# Altium PCB EPS.PcbDoc (part 4 of 11)
Units mm, origin at the board's own origin, x right, y up, seen from the top; angles counter-clockwise.
Board outline 90.25 x 93.64 mm, 8 copper layers (Top Layer, PGND, Power, Control Signals 1, Control Signals 2, Signal 1, Signal 2, Bottom Layer), stack 1.637 mm thick; 941 components, 557 nets, 2694 pads, 869 vias.
Unrouted connection lines stored in the file: 2.
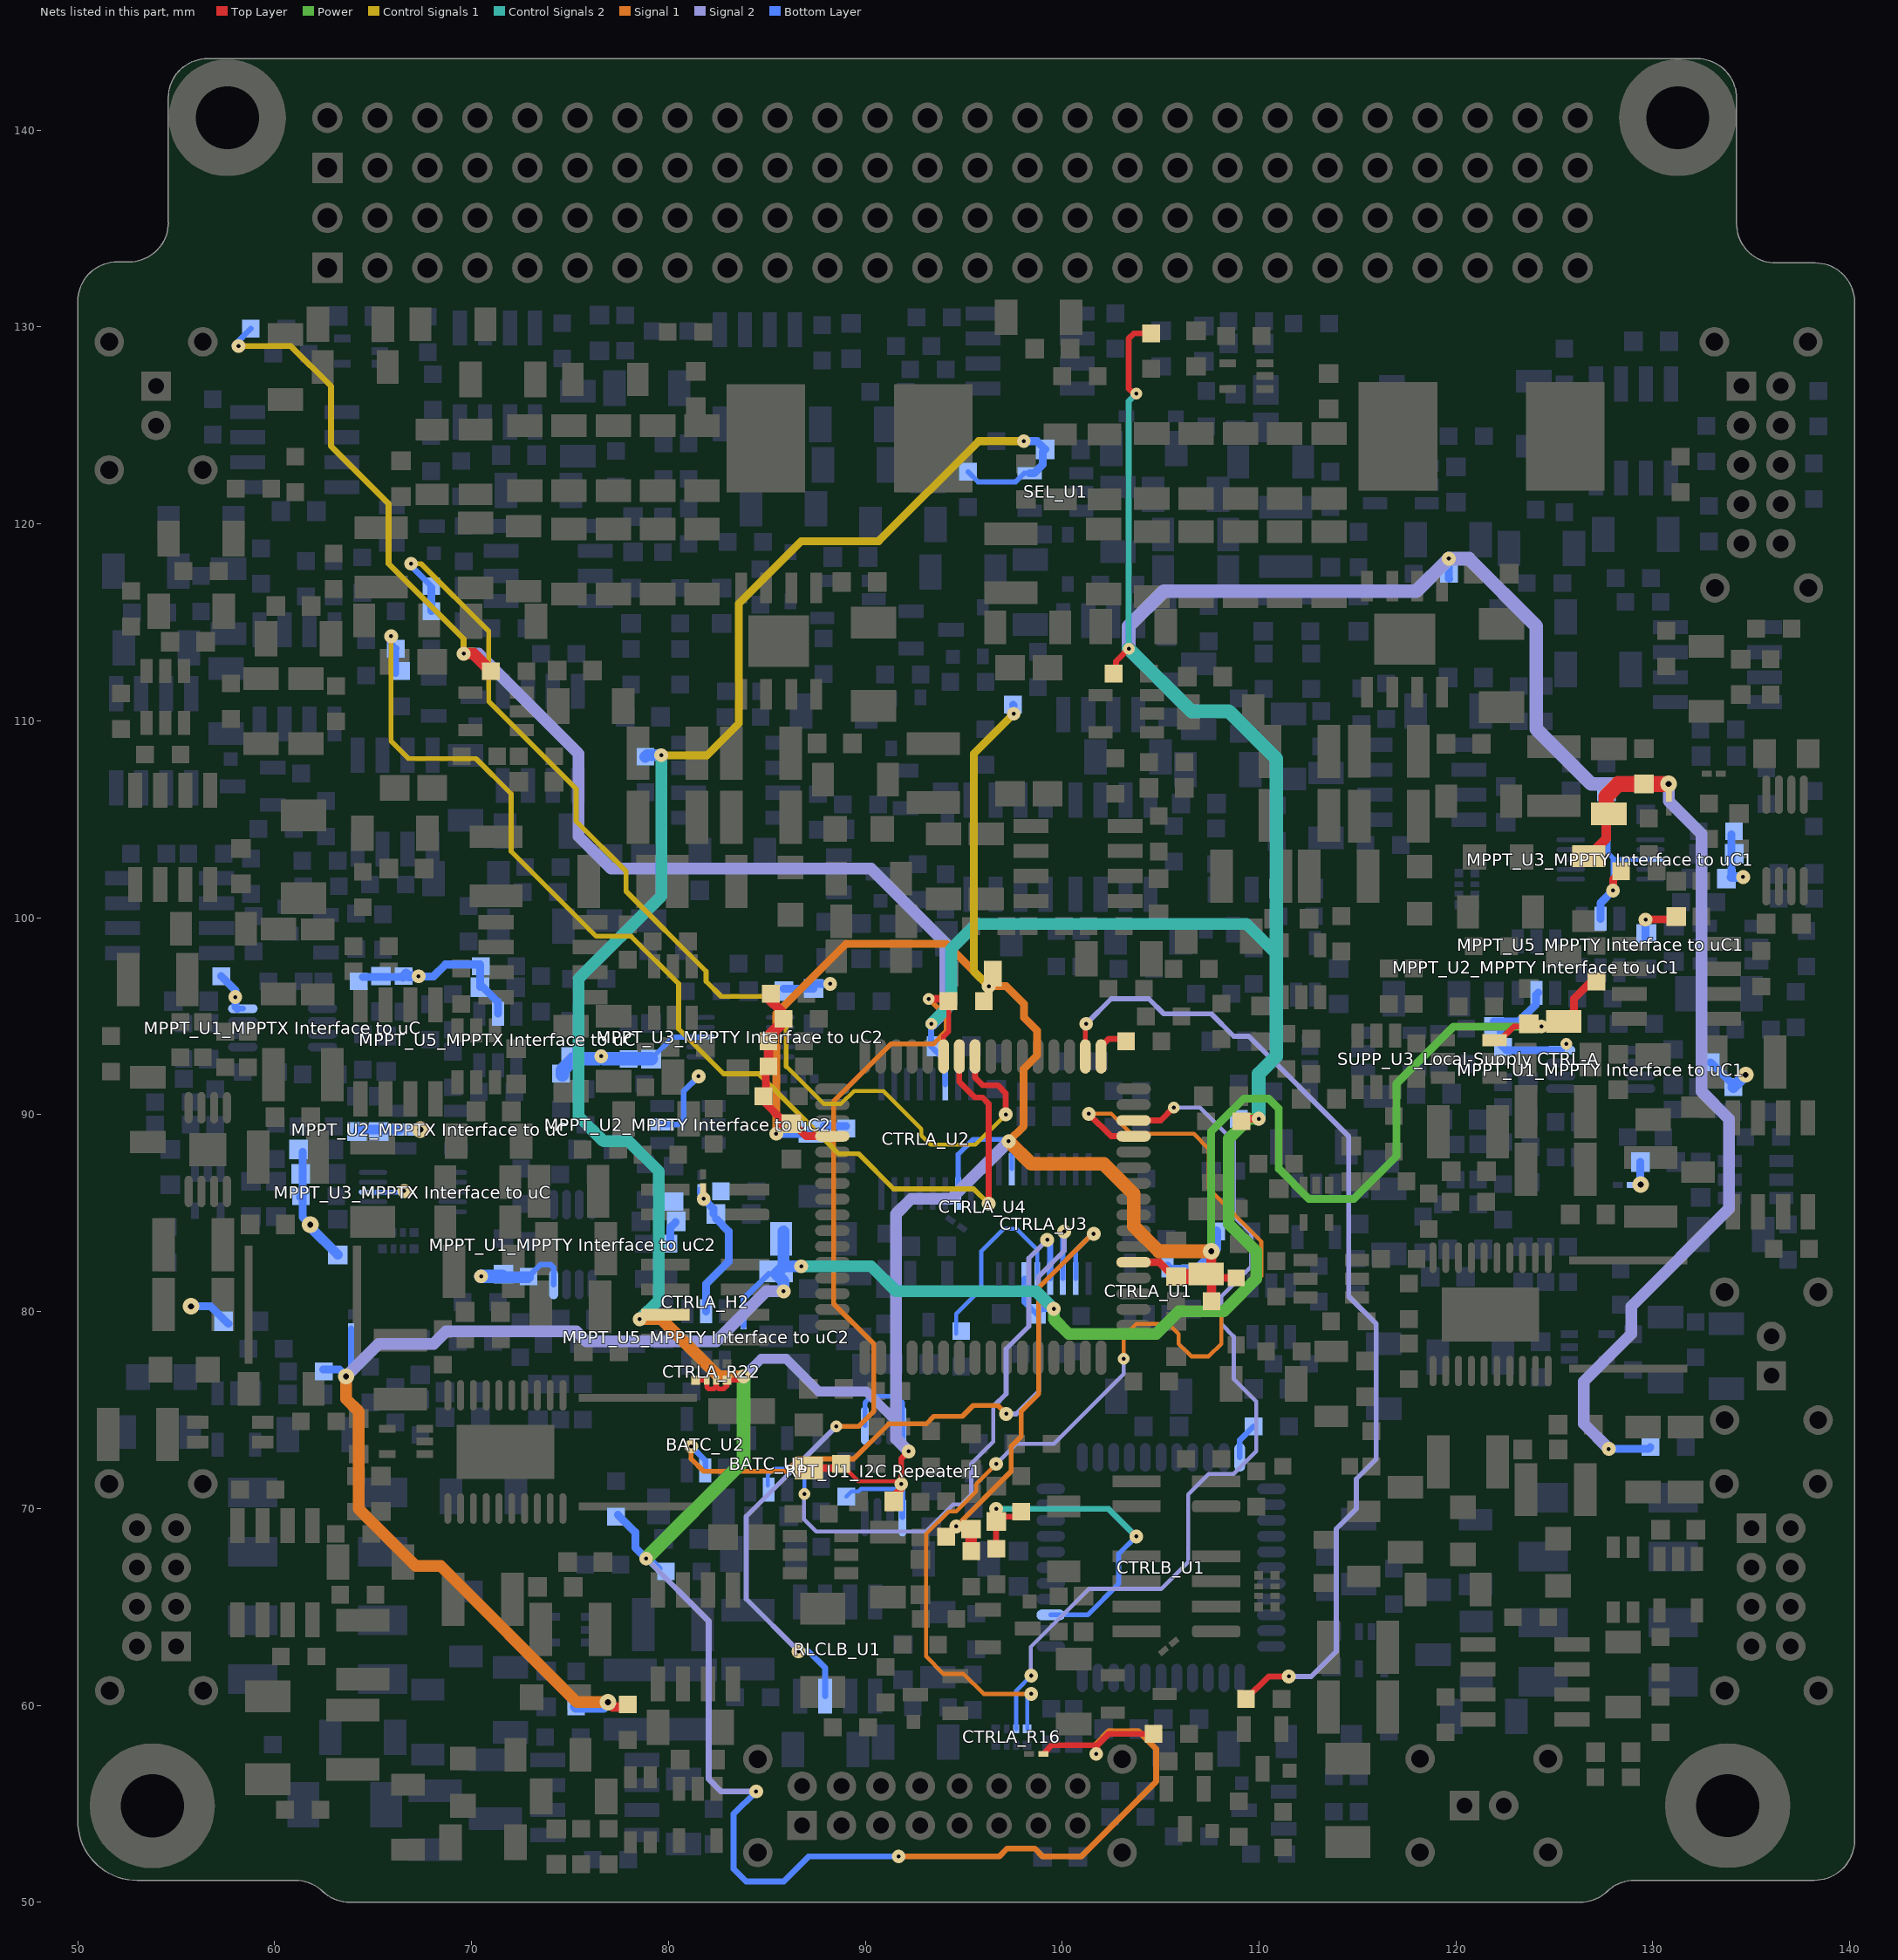
[diagram p10: the nets of this part, all layers, seen from the top]

## Part data (continued)
BATC_C2 BATC_C3 BATD_C4 DCDCX_C9 EMIXS_C1 EMIXS_C2 EMIXS_C3 "EMIYS_C1_MPPTY EMI Filters for Solar Panels1" "EMIYS_C1_MPPTY EMI Filters for Solar Panels2" "EMIYS_C2_MPPTY EMI Filters for Solar Panels1" "EMIYS_C2_MPPTY EMI Filters for Solar Panels2" "LCL_C4_LCL-FPF ANTs 5V1" "LCL_C4_LCL-FPF ANTs 5V2" "LCL_C4_LCL-FPF CAMnadir 3V3" "LCL_C4_LCL-FPF CAMwing 3V3" "LCL_C4_LCL-FPF SENS 5V" "LCL_C4_LCL-FPF SunS 3V3" "LCLTK_C2_LCL-TK MAIN" "LCLTK_C2_LCL-TK Redundant" "LCLTK_C5_LCL-TK MAIN" "LCLTK_C5_LCL-TK Redundant" "LCLTK_C6_LCL-TK MAIN" "LCLTK_C6_LCL-TK Redundant" "RLCL_C2_DCDC RLCL" "RLCL_C2_VBAT RLCL" RLCLB_C3 RLCLB_C5 RLCLB_C8 SUMPBX_C1 "SUMPBY_C1_MPPTY ORing to MPB1" "SUMPBY_C1_MPPTY ORing to MPB2" "SUMPBY_C5_MPPTY ORing to MPB1" "SUMPBY_C5_MPPTY ORing to MPB2" SUMX_C1 "SUMY_C1_MPPTY Solar Panels ORing1" "SUMY_C1_MPPTY Solar Panels ORing2": library part Cer_C1206T105K3RALTU, "Ceramic Cap Kemet COTS 1u/25V X7R 1206", Manufacturer=Kemet, ManufacturerPartNumber=C1206T105K3RALTU, Package=1206
BATC_R1 "HK_R1_3V3 Measurements" "HK_R1_5V Measurements" "HK_R1_VBAT Measurements": library part LR2512-R033FW, "33mR ,1%, 2W, shunt resistor, TE Connectivity.", Manufacturer="TE Connectivity", Package=2512_Shunt, Power Rating=2W, ManufacturerPartNumber=LR2512-R033FW
BATC_R2 BATC_R3 BATC_R4 BATC_R5 BATD_R1 BATD_R2 BATV_R1 BATV_R2 BATV_R3 BATV_R4 CTRL_R1_CTRL-A_Supply CTRL_R1_CTRL-B_Supply DCDCA_R1 DCDCA_R2 DCDCA_R3 DCDCA_R4 DCDCA_R5 DCDCB_R1 DCDCB_R2 DCDCB_R3 DCDCB_R4 DCDCB_R5 DCDCX_R1 DCDCX_R2 DCDCX_R3 DCDCX_R5 DCDCX_R6 DCDCX_R7 DCDCX_R8 DCDCX_R9 DCDCX_R10 DCDCX_R11 "DCDCY_R1_MPPTY Buck-Boost Converter1" "DCDCY_R1_MPPTY Buck-Boost Converter2" "DCDCY_R2_MPPTY Buck-Boost Converter1" "DCDCY_R2_MPPTY Buck-Boost Converter2" "DCDCY_R3_MPPTY Buck-Boost Converter1" "DCDCY_R3_MPPTY Buck-Boost Converter2" "DCDCY_R4_MPPTY Buck-Boost Converter1" "DCDCY_R4_MPPTY Buck-Boost Converter2" "DCDCY_R5_MPPTY Buck-Boost Converter1" "DCDCY_R5_MPPTY Buck-Boost Converter2" "DCDCY_R6_MPPTY Buck-Boost Converter1" "DCDCY_R6_MPPTY Buck-Boost Converter2" "DCDCY_R8_MPPTY Buck-Boost Converter1" "DCDCY_R8_MPPTY Buck-Boost Converter2" "DCDCY_R9_MPPTY Buck-Boost Converter1" "DCDCY_R9_MPPTY Buck-Boost Converter2" "DCDCY_R10_MPPTY Buck-Boost Converter1" "DCDCY_R10_MPPTY Buck-Boost Converter2" "DCDCY_R11_MPPTY Buck-Boost Converter1" "DCDCY_R11_MPPTY Buck-Boost Converter2" DISTR_R1 DISTR_R2 DISTR_R3 DISTR_R4 DISTR_R5 DISTR_R6 DISTR_R7 DISTR_R8 "HK_R2_3V3 Measurements" "HK_R2_5V Measurements" "HK_R2_VBAT Measurements" "HK_R3_3V3 Measurements" "HK_R3_5V Measurements" "HK_R3_VBAT Measurements" "HK_R4_3V3 Measurements" "HK_R4_5V Measurements" "HK_R4_VBAT Measurements" "HK_R5_3V3 Measurements" "HK_R5_5V Measurements" "HK_R5_VBAT Measurements" HTR_R1 HTR_R2 HTR_R3 HTR_R4 HTR_R5 HTR_R6 HTR_R7 HTR_R8 "LCL_R1_LCL-FPF ANTs 5V1" "LCL_R1_LCL-FPF ANTs 5V2" "LCL_R1_LCL-FPF CAMnadir 3V3" "LCL_R1_LCL-FPF CAMwing 3V3" "LCL_R1_LCL-FPF SENS 5V" "LCL_R1_LCL-FPF SunS 3V3" "LCL_R2_LCL-FPF ANTs 5V1" "LCL_R2_LCL-FPF ANTs 5V2" "LCL_R2_LCL-FPF CAMnadir 3V3" "LCL_R2_LCL-FPF CAMwing 3V3" "LCL_R2_LCL-FPF SENS 5V" "LCL_R2_LCL-FPF SunS 3V3" "LCL_R3_LCL-FPF ANTs 5V1" "LCL_R3_LCL-FPF ANTs 5V2" "LCL_R3_LCL-FPF CAMnadir 3V3" "LCL_R3_LCL-FPF CAMwing 3V3" "LCL_R3_LCL-FPF SENS 5V" "LCL_R3_LCL-FPF SunS 3V3" "LCL_R4_LCL-FPF ANTs 5V1" "LCL_R4_LCL-FPF ANTs 5V2" "LCL_R4_LCL-FPF CAMnadir 3V3" "LCL_R4_LCL-FPF CAMwing 3V3" "LCL_R4_LCL-FPF SENS 5V" "LCL_R4_LCL-FPF SunS 3V3" "LCL_R5_LCL-FPF ANTs 5V1" "LCL_R5_LCL-FPF ANTs 5V2" "LCL_R5_LCL-FPF CAMnadir 3V3" "LCL_R5_LCL-FPF CAMwing 3V3" "LCL_R5_LCL-FPF SENS 5V" "LCL_R5_LCL-FPF SunS 3V3" "LCLTK_R1_LCL-TK MAIN" "LCLTK_R1_LCL-TK Redundant" "LCLTK_R2_LCL-TK MAIN" "LCLTK_R2_LCL-TK Redundant" "LCLTK_R3_LCL-TK MAIN" "LCLTK_R3_LCL-TK Redundant" "LCLTK_R4_LCL-TK MAIN" "LCLTK_R4_LCL-TK Redundant" "LCLTK_R5_LCL-TK MAIN" "LCLTK_R5_LCL-TK Redundant" "LCLTK_R6_LCL-TK MAIN" "LCLTK_R6_LCL-TK Redundant" "LCLTK_R7_LCL-TK MAIN" "LCLTK_R7_LCL-TK Redundant" "LCLTK_R8_LCL-TK MAIN" "LCLTK_R8_LCL-TK Redundant" "LCLTK_R9_LCL-TK MAIN" "LCLTK_R9_LCL-TK Redundant" "LCLTK_R10_LCL-TK MAIN" "LCLTK_R10_LCL-TK Redundant" "LCLTK_R11_LCL-TK MAIN" "LCLTK_R11_LCL-TK Redundant" "LCLTK_R12_LCL-TK MAIN" "LCLTK_R12_LCL-TK Redundant" "LCLTK_R13_LCL-TK MAIN" "LCLTK_R13_LCL-TK Redundant" "LCLTK_R14_LCL-TK MAIN" "LCLTK_R14_LCL-TK Redundant" "LCLTK_R15_LCL-TK MAIN" "LCLTK_R15_LCL-TK Redundant" "LCLTK_R16_LCL-TK MAIN" "LCLTK_R16_LCL-TK Redundant" LS_R2 LS_R4 LS_R7 LS_R8 LS_R10 "MEAS_R2_MPPTX Measurements" "MEAS_R2_MPPTY Measurements1" "MEAS_R2_MPPTY Measurements2" "MEAS_R3_MPPTX Measurements" "MEAS_R3_MPPTY Measurements1" "MEAS_R3_MPPTY Measurements2" "MEAS_R4_MPPTX Measurements" "MEAS_R4_MPPTY Measurements1" "MEAS_R4_MPPTY Measurements2" "MPPT_R1_MPPTX Interface to uC" "MPPT_R1_MPPTY Interface to uC1" "MPPT_R1_MPPTY Interface to uC2" "MPPT_R2_MPPTX Interface to uC" "MPPT_R2_MPPTY Interface to uC1" "MPPT_R2_MPPTY Interface to uC2" "MPPT_R3_MPPTX Interface to uC" "MPPT_R3_MPPTY Interface to uC1" "MPPT_R3_MPPTY Interface to uC2" "MPPT_R4_MPPTX Interface to uC" "MPPT_R4_MPPTY Interface to uC1" "MPPT_R4_MPPTY Interface to uC2" "MPPT_R5_MPPTX Interface to uC" "MPPT_R5_MPPTY Interface to uC1" "MPPT_R5_MPPTY Interface to uC2" "MPPT_R6_MPPTX Interface to uC" "MPPT_R6_MPPTY Interface to uC1" "MPPT_R6_MPPTY Interface to uC2" "MPPT_R7_MPPTX Interface to uC" "MPPT_R7_MPPTY Interface to uC1" "MPPT_R7_MPPTY Interface to uC2" "MPPT_R8_MPPTX Interface to uC" "MPPT_R8_MPPTY Interface to uC1" "MPPT_R8_MPPTY Interface to uC2" "MPPT_R9_MPPTX Interface to uC" "MPPT_R9_MPPTY Interface to uC1" "MPPT_R9_MPPTY Interface to uC2" "MPPT_R10_MPPTX Interface to uC" "MPPT_R10_MPPTY Interface to uC1" "MPPT_R10_MPPTY Interface to uC2" "MPPT_R11_MPPTX Interface to uC" "MPPT_R11_MPPTY Interface to uC1" "MPPT_R11_MPPTY Interface to uC2" "MPPT_R12_MPPTX Interface to uC" "MPPT_R12_MPPTY Interface to uC1" "MPPT_R12_MPPTY Interface to uC2" "MPPT_R13_MPPTX Interface to uC" "MPPT_R13_MPPTY Interface to uC1" "MPPT_R13_MPPTY Interface to uC2" "MPPT_R14_MPPTX Interface to uC" "MPPT_R14_MPPTY Interface to uC1" "MPPT_R14_MPPTY Interface to uC2" "MPPT_R15_MPPTX Interface to uC" "MPPT_R15_MPPTY Interface to uC1" "MPPT_R15_MPPTY Interface to uC2" RBL_R1 RBL_R2 RBL_R3 RBL_R4 RBL_R5 RBL_R6 RBL_R7 RBL_R8 RBL_R9 RBL_R10 "RLCL_R1_RLCL-FPF 3V3" "RLCL_R1_RLCL-FPF 5V" "RLCL_R2_DCDC RLCL" "RLCL_R2_VBAT RLCL" "RLCL_R3_DCDC RLCL" "RLCL_R3_VBAT RLCL" "RLCL_R4_DCDC RLCL" "RLCL_R4_RLCL-FPF 3V3" "RLCL_R4_RLCL-FPF 5V" "RLCL_R4_VBAT RLCL" "RLCL_R5_DCDC RLCL" "RLCL_R5_VBAT RLCL" "RLCL_R6_DCDC RLCL" "RLCL_R6_RLCL-FPF 3V3" "RLCL_R6_RLCL-FPF 5V" "RLCL_R6_VBAT RLCL" RLCLB_R1 RLCLB_R2 RLCLB_R3 RLCLB_R4 RLCLB_R6 RLCLB_R8 RLCLB_R9 RLCLB_R10 RLCLB_R11 RLCLB_R12 RLCLB_R13 SEL_R1 SEL_R2 SEL_R3 SEL_R4 SEL_R5 SEL_R6 SEL_R7 SEL_R8 SEL_R9 SEL_R10 SEL_R11 SUMPBX_R1 SUMPBX_R3 SUMPBX_R4 SUMPBX_R5 SUMPBX_R6 "SUMPBY_R1_MPPTY ORing to MPB1" "SUMPBY_R1_MPPTY ORing to MPB2" "SUMPBY_R2_MPPTY ORing to MPB1" "SUMPBY_R2_MPPTY ORing to MPB2" "SUMPBY_R3_MPPTY ORing to MPB1" "SUMPBY_R3_MPPTY ORing to MPB2" "SUMPBY_R4_MPPTY ORing to MPB1" "SUMPBY_R4_MPPTY ORing to MPB2" "SUMPBY_R5_MPPTY ORing to MPB1" "SUMPBY_R5_MPPTY ORing to MPB2" "SUMPBY_R6_MPPTY ORing to MPB1" "SUMPBY_R6_MPPTY ORing to MPB2" "SUMPBY_R7_MPPTY ORing to MPB1" "SUMPBY_R7_MPPTY ORing to MPB2" "SUMPBY_R8_MPPTY ORing to MPB1" "SUMPBY_R8_MPPTY ORing to MPB2" SUMX_R1 SUMX_R2 SUMX_R3 SUMX_R4 "SUMY_R1_MPPTY Solar Panels ORing1" "SUMY_R1_MPPTY Solar Panels ORing2" "SUMY_R2_MPPTY Solar Panels ORing1" "SUMY_R2_MPPTY Solar Panels ORing2" "SUMY_R3_MPPTY Solar Panels ORing1" "SUMY_R3_MPPTY Solar Panels ORing2" "SUMY_R4_MPPTY Solar Panels ORing1" "SUMY_R4_MPPTY Solar Panels ORing2" "SUPP_R2_Local-Supply CTRL-A" "SUPP_R2_Local-Supply CTRL-B" "SUPP_R4_Local-Supply CTRL-A" "SUPP_R4_Local-Supply CTRL-B" "SUPP_R5_Local-Supply CTRL-A" "SUPP_R5_Local-Supply CTRL-B" "SUPP_R6_Local-Supply CTRL-A" "SUPP_R6_Local-Supply CTRL-B" "SUPP_R7_Local-Supply CTRL-A" "SUPP_R7_Local-Supply CTRL-B" "SUPP_R8_Local-Supply CTRL-A" "SUPP_R8_Local-Supply CTRL-B" "SUPP_R10_Local-Supply CTRL-A" "SUPP_R10_Local-Supply CTRL-B" "SUPP_R11_Local-Supply CTRL-A" "SUPP_R11_Local-Supply CTRL-B" "SUPP_R12_Local-Supply CTRL-A" "SUPP_R12_Local-Supply CTRL-B" "SUPP_R13_Local-Supply CTRL-A" "SUPP_R13_Local-Supply CTRL-B" "SUPP_R14_Local-Supply CTRL-A" "SUPP_R14_Local-Supply CTRL-B" "SUPP_R15_Local-Supply CTRL-A" "SUPP_R15_Local-Supply CTRL-B": library part Res, Package=0603
BATC_U1 BATC_U2 "MEAS_U1_MPPTX Measurements" "MEAS_U1_MPPTY Measurements1" "MEAS_U1_MPPTY Measurements2": library part MAX4372, "High-Side Current-Sense Amplifier with Voltage Output", Manufacturer="Maxim Integrated Products"
BATD_D1 DCDCA_D1 DCDCB_D1 DCDCX_D1 SUMPBX_D1 SUMX_D1 "SUMY_D1_MPPTY Solar Panels ORing1" "SUMY_D1_MPPTY Solar Panels ORing2": library part STPS340x, "3A/40V Power Schottky Rectifier.", Manufacturer=STMicroelectronics
BATD_Q1 "LCLTK_Q1_LCL-TK MAIN" "LCLTK_Q1_LCL-TK Redundant" "LCLTK_Q3_LCL-TK MAIN" "LCLTK_Q3_LCL-TK Redundant" RBL_Q1 RBL_Q3 SUMPBX_Q1 "SUMPBY_Q1_MPPTY ORing to MPB1" "SUMPBY_Q1_MPPTY ORing to MPB2" "SUMPBY_Q2_MPPTY ORing to MPB1" "SUMPBY_Q2_MPPTY ORing to MPB2": "10A/30V HEXFET Power P-MOSFET.", Manufacturer="International Rectifier"
BATD_U1 SUMPB_U1 "SUMPB_U1_MPPTY ORing to MPB1" "SUMPB_U1_MPPTY ORing to MPB2" "SUMPB_U2_MPPTY ORing to MPB1" "SUMPB_U2_MPPTY ORing to MPB2": "Ideal Diode, Low Loss PowerPath Controller.", Manufacturer="Linear Technology"
BATV_C1 BATV_C2 CTRL_C1_CTRL-A_Supply CTRL_C1_CTRL-B_Supply CTRL_C4_CTRL-A_Supply CTRL_C4_CTRL-B_Supply CTRL_C6_CTRL-A_Supply CTRL_C6_CTRL-B_Supply CTRL_C7_CTRL-A_Supply CTRL_C7_CTRL-B_Supply CTRL_C8_CTRL-A_Supply CTRL_C8_CTRL-B_Supply CTRLA_C1 CTRLA_C2 CTRLA_C3 CTRLA_C4 CTRLA_C5 CTRLB_C1 CTRLB_C2 CTRLB_C3 CTRLB_C5 DCDCX_C1 DCDCX_C2 "DCDCY_C1_MPPTY Buck-Boost Converter1" "DCDCY_C1_MPPTY Buck-Boost Converter2" "DCDCY_C2_MPPTY Buck-Boost Converter1" "DCDCY_C2_MPPTY Buck-Boost Converter2" "DCDCY_C3_MPPTY Buck-Boost Converter1" "DCDCY_C3_MPPTY Buck-Boost Converter2" "DCDCY_C4_MPPTY Buck-Boost Converter1" "DCDCY_C4_MPPTY Buck-Boost Converter2" EMIAB_C2 EMIBB_C2 EMIVBAT_C1 EMIVBAT_C3 EMIXO_C1 "EMIYO_C1_MPPTY Output EMI Filter1" "EMIYO_C1_MPPTY Output EMI Filter2" "HK_C1_3V3 Measurements" "HK_C1_5V Measurements" "HK_C1_VBAT Measurements" "HK_C3_3V3 Measurements" "HK_C3_5V Measurements" "HK_C3_VBAT Measurements" "HK_C4_3V3 Measurements" "HK_C4_5V Measurements" "HK_C4_VBAT Measurements" "LCL_C2_LCL-FPF ANTs 5V1" "LCL_C2_LCL-FPF ANTs 5V2" "LCL_C2_LCL-FPF CAMnadir 3V3" "LCL_C2_LCL-FPF CAMwing 3V3" "LCL_C2_LCL-FPF SENS 5V" "LCL_C2_LCL-FPF SunS 3V3" "LCL_C5_LCL-FPF ANTs 5V1" "LCL_C5_LCL-FPF ANTs 5V2" "LCL_C5_LCL-FPF CAMnadir 3V3" "LCL_C5_LCL-FPF CAMwing 3V3" "LCL_C5_LCL-FPF SENS 5V" "LCL_C5_LCL-FPF SunS 3V3" "LCLTK_C4_LCL-TK MAIN" "LCLTK_C4_LCL-TK Redundant" "MEAS_C1_MPPTX Measurements" "MEAS_C1_MPPTY Measurements1" "MEAS_C1_MPPTY Measurements2" "MEAS_C3_MPPTX Measurements" "MEAS_C3_MPPTY Measurements1" "MEAS_C3_MPPTY Measurements2" "MPPT_C3_MPPTX Interface to uC" "MPPT_C3_MPPTY Interface to uC1" "MPPT_C3_MPPTY Interface to uC2" "MPPT_C5_MPPTX Interface to uC" "MPPT_C5_MPPTY Interface to uC1" "MPPT_C5_MPPTY Interface to uC2" "MPPT_C8_MPPTX Interface to uC" "MPPT_C8_MPPTY Interface to uC1" "MPPT_C8_MPPTY Interface to uC2" "MPPT_C10_MPPTX Interface to uC" "MPPT_C10_MPPTY Interface to uC1" "MPPT_C10_MPPTY Interface to uC2" "RLCL_C2_RLCL-FPF 3V3" "RLCL_C2_RLCL-FPF 5V" "RPT_C3_I2C Repeater1" "RPT_C3_I2C Repeater2" SEL_C2 SEL_C3 "SUPP_C1_Local-Supply CTRL-A" "SUPP_C1_Local-Supply CTRL-B" "SUPP_C3_Local-Supply CTRL-A" "SUPP_C3_Local-Supply CTRL-B" "SUPP_C4_Local-Supply CTRL-A" "SUPP_C4_Local-Supply CTRL-B" "SUPP_C5_Local-Supply CTRL-A" "SUPP_C5_Local-Supply CTRL-B" "SUPP_C8_Local-Supply CTRL-A" "SUPP_C8_Local-Supply CTRL-B" "SUPP_C10_Local-Supply CTRL-A" "SUPP_C10_Local-Supply CTRL-B" TEMP_C1_Temperature-Sensor1 TEMP_C1_Temperature-Sensor2 TEMP_C1_Temperature-Sensor3 TEMP_C1_Temperature-Sensor4 TEMP_C1_Temperature-Sensor5 TEMP_C1_Temperature-Sensor6 TEMP_C1_Temperature-Sensor7: library part Cer_C0603T104K5RALTU, "Ceramic Cap Kemet COTS 100n/50V X7R 0603", Manufacturer=Kemet, ManufacturerPartNumber=C0603T104K5RALTU, Package=0603
CTRL_C2_CTRL-A_Supply CTRL_C2_CTRL-B_Supply CTRL_C9_CTRL-A_Supply CTRL_C9_CTRL-B_Supply CTRLB_C4 EMIVBAT_C2 EMIVBAT_C4 EMIXO_C2: library part Cer_GCJ31CR71H225KA12L, "Ceramic Cap Murata Automotive 2.2u/50V X7R 1206", Manufacturer=Murata, ManufacturerPartNumber=GCJ31CR71H225KA12L, Package=1206
CTRL_C3_CTRL-A_Supply CTRL_C3_CTRL-B_Supply CTRL_C5_CTRL-A_Supply CTRL_C5_CTRL-B_Supply DCDCA_C1 DCDCA_C2 DCDCA_C5 DCDCA_C6 DCDCA_C10 DCDCA_C11 DCDCA_C12 DCDCA_C15 DCDCA_C16 DCDCA_C17 DCDCB_C1 DCDCB_C2 DCDCB_C5 DCDCB_C6 DCDCB_C10 DCDCB_C11 DCDCB_C13 DCDCB_C16 DCDCB_C17 DCDCB_C18 "DCDCY_C14_MPPTY Buck-Boost Converter1" "DCDCY_C14_MPPTY Buck-Boost Converter2" EMIAB_C1 EMIAB_C3 EMIBB_C1 EMIBB_C3 "EMIYI_C1_MPPTY Input EMI Filter1" "EMIYI_C1_MPPTY Input EMI Filter2" "EMIYI_C2_MPPTY Input EMI Filter1" "EMIYI_C2_MPPTY Input EMI Filter2" "EMIYO_C2_MPPTY Output EMI Filter1" "EMIYO_C2_MPPTY Output EMI Filter2" "HK_C2_3V3 Measurements" "HK_C2_5V Measurements" "HK_C2_VBAT Measurements" "LCL_C1_LCL-FPF ANTs 5V1" "LCL_C1_LCL-FPF ANTs 5V2" "LCL_C1_LCL-FPF CAMnadir 3V3" "LCL_C1_LCL-FPF CAMwing 3V3" "LCL_C1_LCL-FPF SENS 5V" "LCL_C1_LCL-FPF SunS 3V3" "LCL_C3_LCL-FPF ANTs 5V1" "LCL_C3_LCL-FPF ANTs 5V2" "LCL_C3_LCL-FPF CAMnadir 3V3" "LCL_C3_LCL-FPF CAMwing 3V3" "LCL_C3_LCL-FPF SENS 5V" "LCL_C3_LCL-FPF SunS 3V3" "LCLTK_C1_LCL-TK MAIN" "LCLTK_C1_LCL-TK Redundant" "LCLTK_C3_LCL-TK MAIN" "LCLTK_C3_LCL-TK Redundant" LS_C1 LS_C2 "MEAS_C2_MPPTX Measurements" "MEAS_C2_MPPTY Measurements1" "MEAS_C2_MPPTY Measurements2" RBL_C1 RBL_C3 "RLCL_C1_DCDC RLCL" "RLCL_C1_RLCL-FPF 3V3" "RLCL_C1_RLCL-FPF 5V" "RLCL_C1_VBAT RLCL" "RLCL_C3_RLCL-FPF 3V3" "RLCL_C3_RLCL-FPF 5V" "RLCL_C5_DCDC RLCL" "RLCL_C5_VBAT RLCL" SEL_C4 SEL_C5 SEL_C6 SEL_C7 SUMPBX_C3 SUMPBX_C4 "SUMPBY_C3_MPPTY ORing to MPB1" "SUMPBY_C3_MPPTY ORing to MPB2" "SUMPBY_C4_MPPTY ORing to MPB1" "SUMPBY_C4_MPPTY ORing to MPB2" "SUPP_C2_Local-Supply CTRL-A" "SUPP_C2_Local-Supply CTRL-B" "SUPP_C6_Local-Supply CTRL-A" "SUPP_C6_Local-Supply CTRL-B" "SUPP_C7_Local-Supply CTRL-A" "SUPP_C7_Local-Supply CTRL-B" "SUPP_C9_Local-Supply CTRL-A" "SUPP_C9_Local-Supply CTRL-B": library part Cer_C1206T106K4RACTU, "Ceramic Cap Kemet COTS 10u/16V X7R 1206", Manufacturer=Kemet, ManufacturerPartNumber=C1206T106K4RACTU, Packge=1206
CTRL_FB1_CTRL-A_Supply CTRL_FB1_CTRL-B_Supply CTRL_FB2_CTRL-A_Supply CTRL_FB2_CTRL-B_Supply EMIAB_FB1 EMIAB_FB2 EMIBB_FB1 EMIBB_FB2 EMIVBAT_FB1 EMIVBAT_FB2 EMIXO_FB1 EMIXS_FB1 EMIXS_FB2 EMIXS_FB3 "EMIYO_FB1_MPPTY Output EMI Filter1" "EMIYO_FB1_MPPTY Output EMI Filter2" "EMIYS_FB1_MPPTY EMI Filters for Solar Panels1" "EMIYS_FB1_MPPTY EMI Filters for Solar Panels2" "EMIYS_FB2_MPPTY EMI Filters for Solar Panels1" "EMIYS_FB2_MPPTY EMI Filters for Solar Panels2" LS_FB1 "LS_FB1_Local-Supply CTRL-A" "LS_FB1_Local-Supply CTRL-B" LS_FB2: library part BLM31PG121SH1L, "Ferrite bead, 1206, 0.02HM, 3.5A.", Current Rating=3.5A, Manufacturer=Murata, Package=1206, Series Resistance DC=0.02R, ManufacturerPartNumber=BLM31PG121SH1L
CTRL_J1_CTRL-A_Supply CTRL_J1_CTRL-B_Supply CTRLA_J1 CTRLA_J2 CTRLA_J3 CTRLA_J4 CTRLB_J1 "MPPT_J1_MPPTX Interface to uC" "MPPT_J1_MPPTY Interface to uC1" "MPPT_J1_MPPTY Interface to uC2": library part 2way, ComponentLink1Description=Source, ComponentLink1URL=http://www.edatools.cz/addons, FootprintNote="LP=12mil, MP=40mil, HP=120mil"
CTRL_REF1_CTRL-A_Supply CTRL_REF1_CTRL-B_Supply: library part LM4040DIM3-3.0, "Shunt V-REF, 3V, 1%, SOT23-3", Manufacturer="Texas Instruments", HelpUrl=http://www.ti.com/lit/ds/symlink/lm4040-n.pdf, ManufacturerPartNumber=LM4040DIM3-3.0
CTRLA_H1 CTRLB_H1: library part "Header 2X2", "Header, 2-Pin, Dual row", LatestRevisionDate=17-Jul-2002, LatestRevisionNote="Re-released for DXP Platform.", Publisher="Altium Limited"
CTRLA_H2 CTRLB_H2: library part "Header 4X2", "Header, 4-Pin, Dual row", LatestRevisionDate=17-Jul-2002, LatestRevisionNote="Re-released for DXP Platform.", Publisher="Altium Limited"
CTRLA_R1 CTRLA_R11 CTRLA_R16 CTRLA_R22 CTRLA_R24 CTRLB_R8: library part YC124-JR-072K2L, "RESISTOR ARRAY, 4 x 0402", URL=http://pl.farnell.com/yageo-phycomp/yc124-jr-072k2l/resistor-array-arv341-4-x-0402/dp/9235388
CTRLA_R2 CTRLA_R3 CTRLA_R4 CTRLA_R5 CTRLA_R6 CTRLA_R7 CTRLA_R8 CTRLA_R9 CTRLA_R10 CTRLA_R12 CTRLA_R13 CTRLA_R14 CTRLA_R15 CTRLA_R17 CTRLA_R18 CTRLA_R19 CTRLA_R20 CTRLA_R23 CTRLA_R25 CTRLB_R1 CTRLB_R2 CTRLB_R3 CTRLB_R4 CTRLB_R5 CTRLB_R6 CTRLB_R7 CTRLB_R9 CTRLB_R11 "MPPT_R16_MPPTX Interface to uC" "MPPT_R16_MPPTY Interface to uC1" "MPPT_R16_MPPTY Interface to uC2" "MPPT_R17_MPPTX Interface to uC" "MPPT_R17_MPPTY Interface to uC1" "MPPT_R17_MPPTY Interface to uC2" "MPPT_R18_MPPTX Interface to uC" "MPPT_R18_MPPTY Interface to uC1" "MPPT_R18_MPPTY Interface to uC2" "RPT_R1_I2C Repeater1" "RPT_R1_I2C Repeater2" "RPT_R2_I2C Repeater1" "RPT_R2_I2C Repeater2": library part CRCW06034K70FKxxxx, "4.7k/1% Vishay CRCW 0603 Resistor. 100mW, 100ppm, 75V.", Manufacturer=Vishay, Package=0603, ManufactuerPartNumber=CRCW06034K70FKxxxx
CTRLA_R21 CTRLB_R10 TEMP_R1 TEMP_R1_Temperature-Sensor1 TEMP_R1_Temperature-Sensor2 TEMP_R1_Temperature-Sensor3 TEMP_R1_Temperature-Sensor4 TEMP_R1_Temperature-Sensor5 TEMP_R1_Temperature-Sensor6 TEMP_R1_Temperature-Sensor7 TEMP_R2 TEMP_R4 "TEMP_R5_Local-Supply CTRL-A" "TEMP_R5_Local-Supply CTRL-B": library part CRCW06031K00FKxxxx, "1k/1% Vishay CRCW 0603 Resistor. 100mW, 100ppm, 75V.", Manufacturer=Vishay, Package=0603, ManufacturerPartNumber=CRCW06031K00FKxxxx
CTRLA_U1 SEL_U1 SEL_U2: "TinyLogic UHS TinyLogic UHS Two-Input NAND Gate.", Manufacturer="Fairchild Semiconductor"
CTRLA_U2 CTRLA_U3: "CMOS Analog 4-Channel Multiplexer", Manufacturer="Analog Devices", ManufacturerPartNumber=ADG709
CTRLA_U4: library part ATmega325PA-AU, "8-bit AVR Microcontroller, 1.5-5.5V, 32KB Flash, 1KB EEPROM, 2KB SRAM, 64-pin TQFP, Industrial Grade (-40°C to 85°C)", Code_JEDEC=MS-026-AEB, ComponentLink1Description="Manufacturer URL", ComponentLink1URL=http://www.atmel.com/, ComponentLink2Description="ATmega165A/PA/325A/PA/3250A/PA/645A/P/6450A/P Datasheet", ComponentLink2URL=http://www.atmel.com/dyn/resources/prod_documents/doc8285.pdf, ComponentLink3Description="ATmega165A/PA/325A/PA/3250A/PA/645A/P/6450A/P Summary", ComponentLink3URL=http://www.atmel.com/dyn/resources/prod_documents/8285S.pdf, DatasheetVersion="revD, Jun-2011", PackageDescription="64-Pin Plastic Thin Profile Quad Flat Pack, 14 x 14 x 1.0 mm Body, 0.8 mm Pitch (TQFP)", PackageReference=64A, PackageVersion="revC, Oct-2010"
CTRLB_U1: "General-purpose microcontroller"
DCDCA_C7 DCDCA_C8 DCDCA_C13 DCDCA_C14 DCDCB_C7 DCDCB_C8 DCDCB_C14 DCDCB_C15 DCDCX_C3 DCDCX_C4 DCDCX_C5 DCDCX_C6 "DCDCY_C5_MPPTY Buck-Boost Converter1" "DCDCY_C5_MPPTY Buck-Boost Converter2" "DCDCY_C6_MPPTY Buck-Boost Converter1" "DCDCY_C6_MPPTY Buck-Boost Converter2" "DCDCY_C7_MPPTY Buck-Boost Converter1" "DCDCY_C7_MPPTY Buck-Boost Converter2" "DCDCY_C8_MPPTY Buck-Boost Converter1" "DCDCY_C8_MPPTY Buck-Boost Converter2" "DCDCY_C9_MPPTY Buck-Boost Converter1" "DCDCY_C9_MPPTY Buck-Boost Converter2" EMIAA_C1 EMIAA_C2 EMIAA_C3 EMIAB_C4 EMIBA_C1 EMIBA_C2 EMIBA_C3 EMIBB_C4 EMIVBAT_C5 EMIXI_C1 EMIXI_C2 EMIXO_C3 "EMIYO_C3_MPPTY Output EMI Filter1" "EMIYO_C3_MPPTY Output EMI Filter2" RLCLB_C1 RLCLB_C2 RLCLB_C6 RLCLB_C7 "SUMPBY_C7_MPPTY ORing to MPB1" "SUMPBY_C7_MPPTY ORing to MPB2": library part Cer_GCJ32ER71E106KA12L, "Ceramic Cap Murata Automotive 10u/25V X7R 1210", Manufacturer=Murata, ManufacturerPartNumber=GCJ32ER71E106KA12L, Package=1210
DCDCA_C9 DCDCA_C18 DCDCA_C20 DCDCB_C9 DCDCB_C19 DCDCB_C21 DCDCX_C7 DCDCX_C8 "DCDCY_C10_MPPTY Buck-Boost Converter1" "DCDCY_C10_MPPTY Buck-Boost Converter2" "DCDCY_C11_MPPTY Buck-Boost Converter1" "DCDCY_C11_MPPTY Buck-Boost Converter2" "DCDCY_C12_MPPTY Buck-Boost Converter1" "DCDCY_C12_MPPTY Buck-Boost Converter2" "DCDCY_C13_MPPTY Buck-Boost Converter1" "DCDCY_C13_MPPTY Buck-Boost Converter2" "MPPT_C1_MPPTX Interface to uC" "MPPT_C1_MPPTY Interface to uC1" "MPPT_C1_MPPTY Interface to uC2" "MPPT_C2_MPPTX Interface to uC" "MPPT_C2_MPPTY Interface to uC1" "MPPT_C2_MPPTY Interface to uC2" "MPPT_C4_MPPTX Interface to uC" "MPPT_C4_MPPTY Interface to uC1" "MPPT_C4_MPPTY Interface to uC2" "MPPT_C6_MPPTX Interface to uC" "MPPT_C6_MPPTY Interface to uC1" "MPPT_C6_MPPTY Interface to uC2" "MPPT_C7_MPPTX Interface to uC" "MPPT_C7_MPPTY Interface to uC1" "MPPT_C7_MPPTY Interface to uC2" "MPPT_C9_MPPTX Interface to uC" "MPPT_C9_MPPTY Interface to uC1" "MPPT_C9_MPPTY Interface to uC2" "MPPT_C11_MPPTX Interface to uC" "MPPT_C11_MPPTY Interface to uC1" "MPPT_C11_MPPTY Interface to uC2" "MPPT_C12_MPPTX Interface to uC" "MPPT_C12_MPPTY Interface to uC1" "MPPT_C12_MPPTY Interface to uC2" SEL_C1: Package=0603
DCDCA_C19 DCDCB_C20: library part Cer_GCM188R71H154KA64D, "Ceramic Cap Murata Automotive 150n/50V X7R 0603", Manufacturer=Murata, ManufacturerPartNumber=GCM188R71H154KA64D, Package=0603
DCDCA_L1 DCDCB_L1: library part MSS1260-273MLx, "Coilcraft MSS1260 Inductor, L=27uH, Irise20deg=2.1A, ESR=50mR, SRF=13MHz.", Manufacturer=Coilcraft, ManufacturerPartNumber=MSS1260-273MLx
DCDCA_U1 DCDCB_U1: library part TPS5430, "TPS5430 3-A, Wide Input Range, Step-Down Converter", Manufacturer="Texas Instruments"
DCDCX_L1: library part MSS6132-472MLx, "Coilcraft MSS6132 Inductor, L=4.7uH, Irise20deg=2.3A, ESR=43mR, SRF=65MHz.", Manufacturer=Coilcraft, ManufacturerPartNumber=MSS6132-472MLx
DCDCX_U1: library part LT3580MPMS8E, "Boost Conv 2A, Soft-Start, Synchro", Manufacturer="Linear Technology", HelpUrl=http://cds.linear.com/docs/en/datasheet/3580fg.pdf, ManufacturerPartNumber=LT3580MPMS8E
"DCDCY_L1_MPPTY Buck-Boost Converter1" "DCDCY_L1_MPPTY Buck-Boost Converter2": library part MSS6132-682MLx, "Coilcraft MSS6132 Inductor, L=6.8uH, Irise20deg=2.1A, ESR=52mR, SRF=47MHz.", Manufacturer=Coilcraft, ManufacturerPartNumber=MSS6132-682MLx
"DCDCY_R7_MPPTY Buck-Boost Converter1" "DCDCY_R7_MPPTY Buck-Boost Converter2": library part CRCW06032M00FKxxxx, "2M/1% Vishay CRCW 0603 Resistor. 100mW, 200ppm, 75V.", Manufacturer=Vishay, Package=0603, ManufacturerPartNumber=CRCW06032M00FKxxxx